# KiCad board GNSS_Firehose.kicad_pcb (continued)
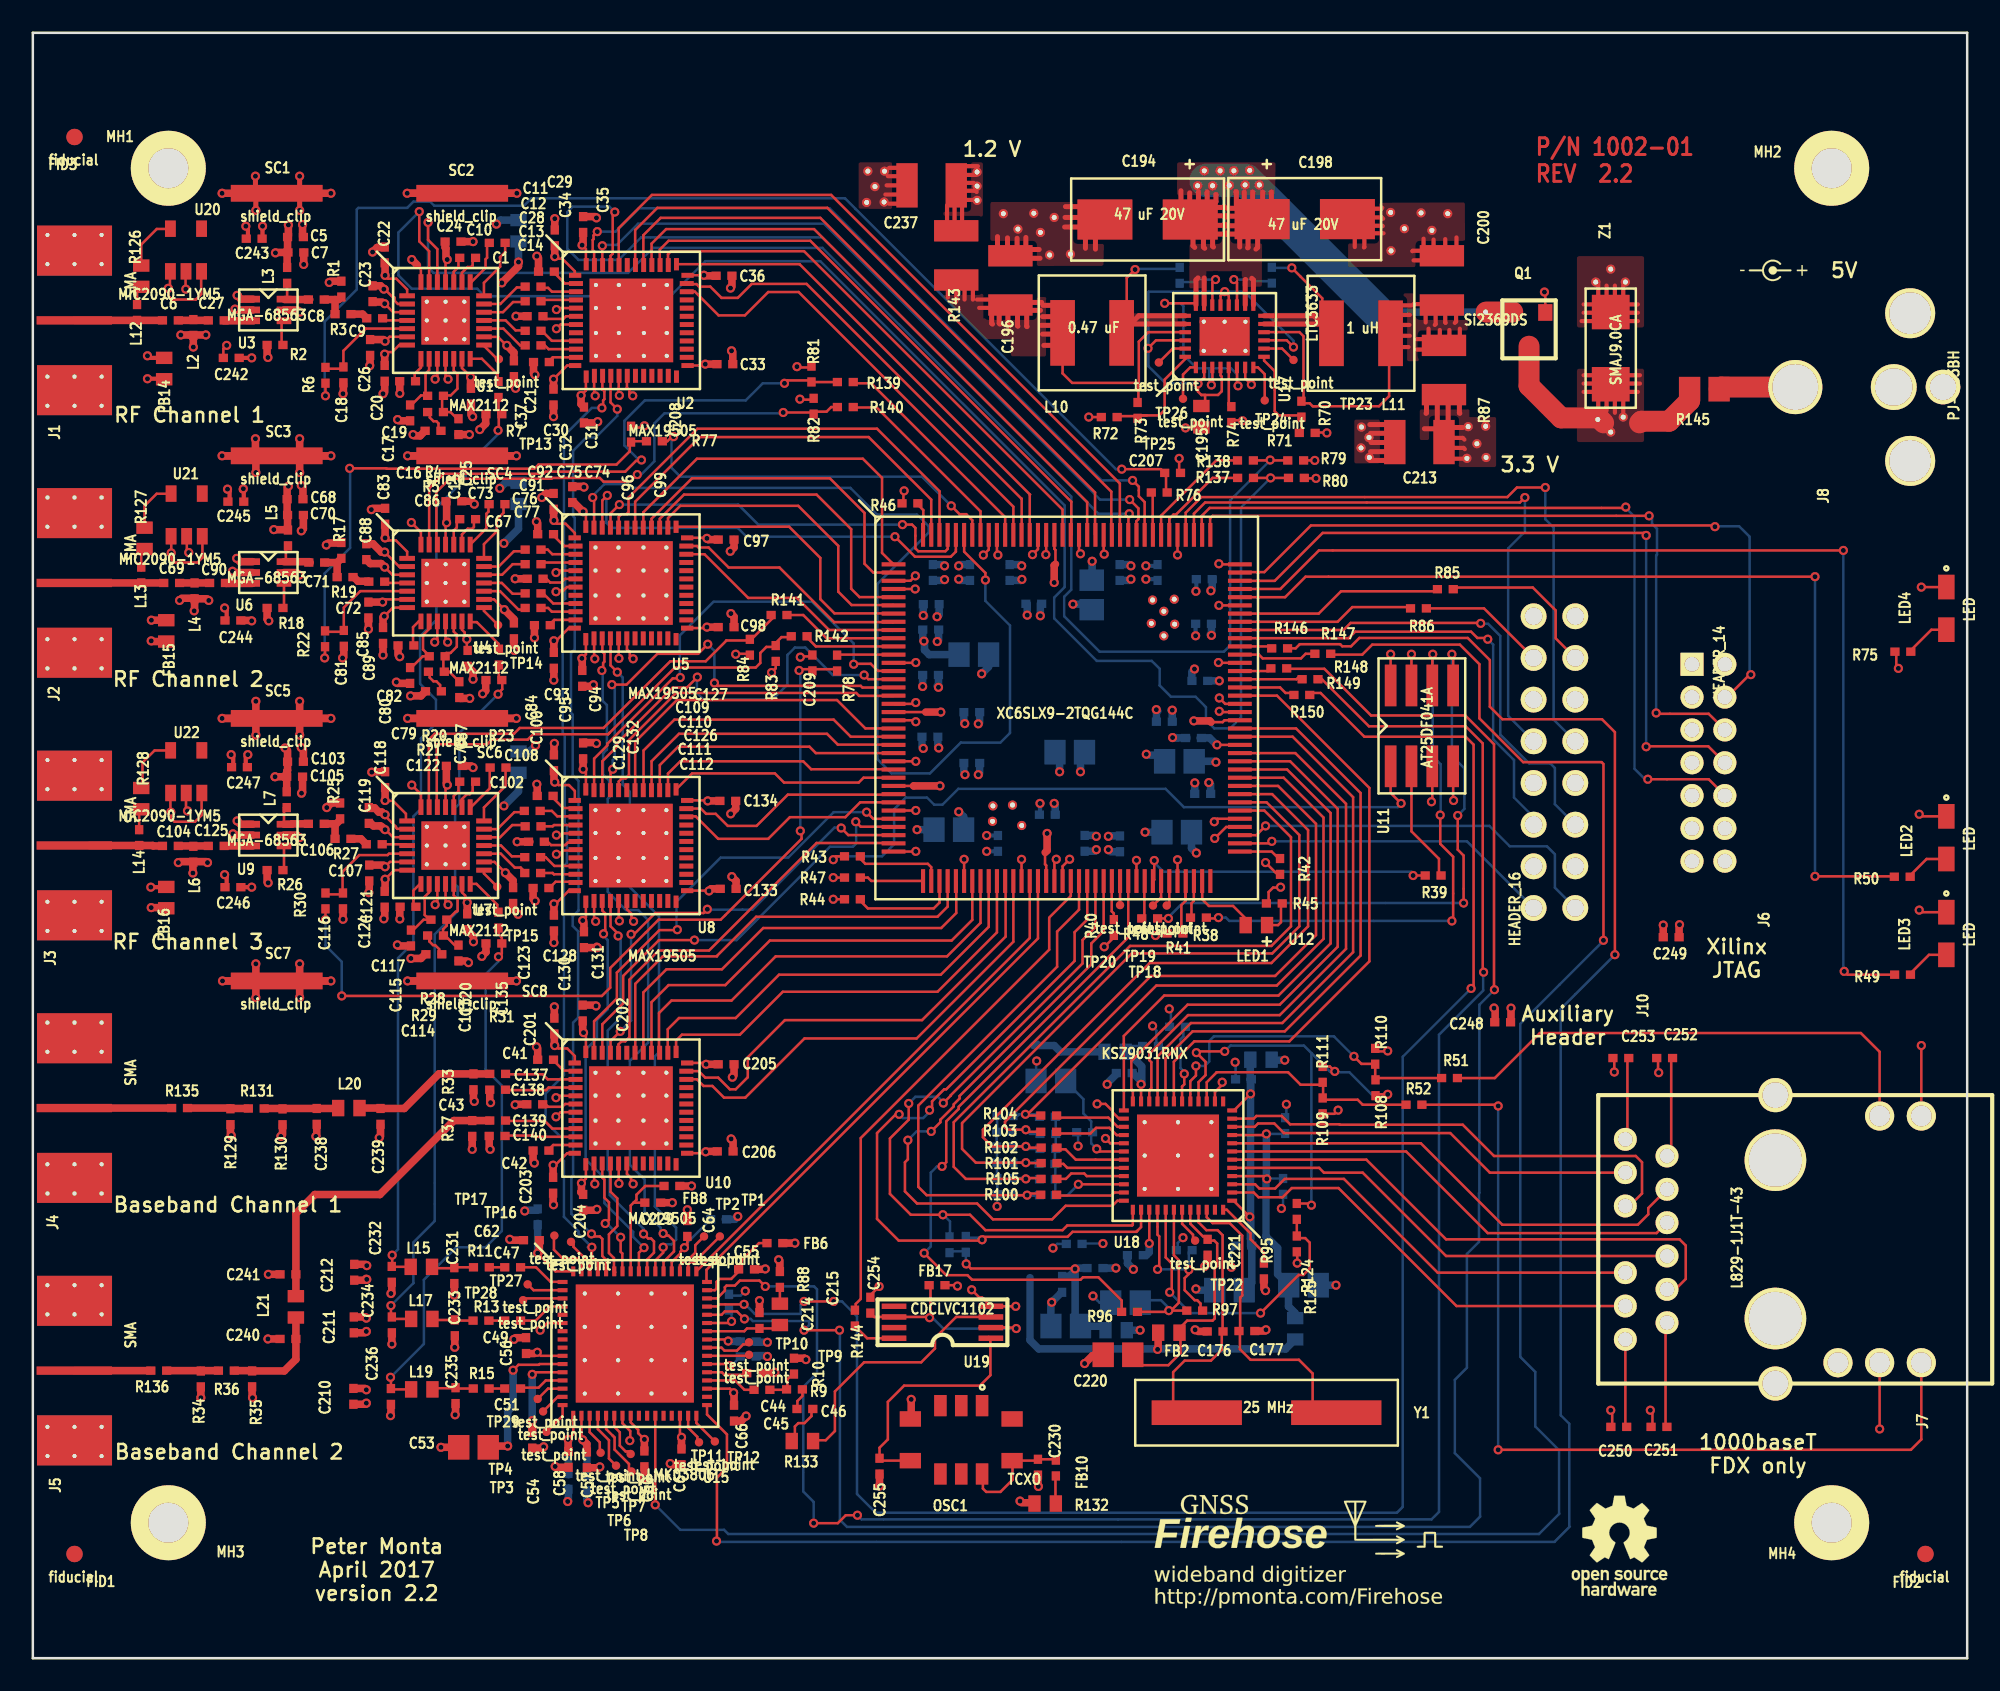
[diagram p0: board, top side]
## Routing (per net, layer and track width the routed paths; a pad name or vN(x,y) marks a point on that pad's centre or on a via; arc(x,y) is an arc through that point) (continued)
/Clock generation/ch1_d+: length 3.1
  Top w0.152: 29.58,23.83 30.66,23.83 31.55,22.94 32.27,22.94 U15.1
/Clock generation/ch2_d+: length 3.1
  Top w0.152: U15.4 32.27,21.44 31.5,21.44 30.63,20.57 29.58,20.57
/Clock generation/ch3_d+: length 2.9
  Top w0.152: U15.13 31.25,16.93 30.81,16.48 29.64,16.48 29.58,16.43
/Ethernet/ct1: length 5.3
  Top w0.152: 97.03,14.1 J7.12
/Ethernet/ct2: length 6.4
  Top w0.152: 99.48,14.1 99.48,20.36 J7.6
/Ethernet/ct3: length 6.1
  Top w0.152: 99.82,36.58 99.82,30.86 J7.1
/Ethernet/ct4: length 5
  Top w0.152: J7.7 97.16,31.75 97.16,36.58
/Ethernet/LED_MODE: length 19
  Top w0.152: v1(69.27,22.3) 69.29,22.28 69.39,22.28 69.39,24.05 69.02,24.42 U18.41 ; v1(74.8,21.03) 77.13,23.36 77.41,23.36 77.8,23.75 77.8,25.32 77.52,25.6 77.06,25.6 77.04,25.63 ; R124.2 R125.1
  Bottom w0.152: v1(69.27,22.3) 70.54,21.03 v1(74.8,21.03)
/Ethernet/phyad0: length 20.7
  Top w0.152: 85.92,35.36 82,35.36 81.81,35.17 81.79,35.18 81.79,36.18 ; 81.83,36.14 81.79,36.18 ; 81.79,36.18 81.75,36.22 80.95,36.22 v1(80.49,36.68) ; v1(70.87,36.09) 70.87,35.51 70.52,35.17 U18.17
  Bottom w0.152: v1(70.87,36.09) 71.4,36.09 71.68,36.37 71.68,37.62 71.96,37.9 79.27,37.9 v1(80.49,36.68)
/Ethernet/phyad1: length 15
  Top w0.152: 72.14,35.71 76.48,35.71 77.24,34.95 78.59,34.95 78.61,34.93 78.61,34.09 78.59,34.06 78.61,34.04 80.72,34.04 81.03,33.73 83.75,33.73 ; 72.14,35.71 72.11,35.69 ; 72.14,35.71 71.52,35.1 U18.15
/Ethernet/xtal1: length 17.2
  Top w0.152: 73.56,19.94 73.56,21.97 73.69,22.1 73.69,25.76 72.92,26.52 71.88,26.52 71.52,26.88 U18.46 ; 73.51,20.12 73.62,20.01 ; 73.59,19.98 73.55,19.94 73.55,18.83 74.19,18.19 77.14,18.19 77.98,17.35 77.98,15.45 77.99,15.44
/Ethernet/xtal2: length 15.1
  Top w0.152: 69.49,15.44 69.48,15.45 69.48,17.43 70.18,18.14 71.78,18.14 72.44,18.8 72.44,19.87 72.49,19.92 72.49,25.78 72.19,26.09 71.5,26.09 71.02,26.56 U18.45 ; 72.5,19.93 72.49,19.91
/FPGA/cclk: length 2.3
  Top w0.152: 70.59,45.09 70.59,46.01 70.74,46.15 70.74,47.36 U12.70
/FPGA/CH1_GC1: length 2.5
  Top w0.152: 68.23,71.04 68.23,68.59 68.22,68.58
/FPGA/CH2_GC1: length 23.4
  Top w0.152: 38.94,74.45 38.66,74.17 38.27,74.17 ; v1(55.96,70.23) 56.46,69.72 56.87,69.72 57.24,69.35 U12.138
  Top w0.305: 38.94,74.45 v1(39.04,74.45)
  Bottom w0.152: 38.94,74.45 38.91,74.42 38.91,72.54 39.45,72.01 54.18,72.01 55.98,70.21
/FPGA/CH3_GC1: length 3.5
  Top w0.152: U12.12 49.09,61.16 49,61.07
/FPGA/cso_b: length 5.6
  Top w0.152: 50.34,48.87 50.34,48.8 50.72,48.41 54.53,48.41 54.74,48.21 54.74,47.37 U12.38
/FPGA/din: length 18.5
  Top w0.152: U12.65 68.33,47.44 v1(68.33,48.62) ; v1(84.1,47.7) 84.92,47.7
  Bottom w0.152: v1(68.33,48.62) 68.33,48.49 68.88,47.93 84,47.93 84.23,47.7
/FPGA/init_b: length 6.6
  Top w0.152: U12.39 55.25,47.36 55.25,46.05 54.89,45.69 50.88,45.69 50.34,46.23 50.34,46.25
/FPGA/led0: length 66.8
  Top w0.152: v1(110.31,67.51) 78.36,67.51 76.01,65.16 U12.105 ; v1(110.36,41.86) 110.57,41.66 R49.1
  Bottom w0.152: v1(110.31,67.51) 110.31,41.66
/FPGA/led1: length 58.7
  Top w0.152: 113.5,47.63 113.47,47.65 v1(108.59,47.65) ; U12.104 76.3,64.66 77.55,65.91 v1(108.59,65.91)
  Bottom w0.152: v1(108.59,65.91) v1(108.59,47.65)
/FPGA/m0: length 3.7
  Top w0.152: 70.23,46.33 70.23,47.35 U12.69 ; 69.94,44.17 69.98,44.21 69.98,45.9 70.23,46.15 70.23,46.69
/FPGA/m1: length 2.5
  Top w0.152: U12.60 65.74,47.35 65.74,45.52 65.86,45.39 65.86,45.06 65.86,45.06 ; 65.86,45.09 65.86,44.91
/FPGA/mosi: length 2.3
  Top w0.152: 67.72,45.09 67.72,47.34 U12.64
/FPGA/spare1_n: length 19.6
  Top w0.152: v1(75.49,49.78) 75.36,49.66 U12.74
  Bottom w0.152: v1(75.49,49.78) 87.38,49.78 J10.2
/FPGA/spare1_p: length 23.9
  Top w0.152: v1(75.11,50.72) 74.54,50.16 U12.75
  Bottom w0.152: v1(75.11,50.72) 88.75,50.72 89.99,49.48 92.25,49.48 92.74,49 92.74,46.96 J10.1
/FPGA/spare2_n: length 27.7
  Top w0.152: 73.74,62.16 80.17,62.16 80.57,62.56 87.63,62.56 88.01,62.18 88.57,62.18 v1(88.65,62.1)
  Bottom w0.152: J10.6 91.44,51.26 90.25,52.45 90.25,54.74 88.98,56.01 88.98,61.77 v1(88.65,62.1)
/FPGA/spare2_p: length 30.5
  Top w0.152: U12.100 79.86,62.66 80.29,63.09 88.19,63.09 v1(88.21,63.07)
  Bottom w0.152: v1(88.21,63.07) 88.24,63.04 88.67,63.04 89.41,62.31 89.41,56.29 91.16,54.53 92.46,54.53 92.74,54.25 92.74,52.04 J10.5
/FPGA/spare3_n: length 37.8
  Top w0.152: U12.111 70.74,69.75 71.42,70.43 90.6,70.43 v1(90.91,70.74)
  Bottom w0.152: J10.10 89.89,57.43 89.89,67.64 90.91,68.66 v1(90.91,70.74)
/FPGA/spare3_p: length 40.1
  Top w0.152: v1(92.15,71.35) 90.42,71.35 89.84,70.76 71.2,70.76 70.24,69.81 U12.112
  Bottom w0.152: v1(92.15,71.35) 92.15,69.42 92.66,68.91 92.66,57.2 J10.9
/FPGA/TCK: length 44.6
  Top w0.152: 98.96,57.56 v1(98.91,57.61) ; 103.09,56.58 103.09,56.58 102.11,57.56 98.93,57.56 ; v1(98.48,69.62) 71.88,69.62 71.73,69.47 71.73,68.58
  Bottom w0.152: v1(98.91,57.61) 98.91,67.21 98.96,67.26 98.96,68.83 98.65,69.14 98.65,69.44 v1(98.48,69.62)
/FPGA/TDI: length 49.2
  Top w0.152: 97.05,70.1 71.7,70.1 71.22,69.62 71.22,68.78 ; 103.09,52.58 103.09,52.58 102.11,53.57 v1(98.4,53.57)
  Bottom w0.152: 97.05,70.1 97.59,69.57 97.59,54.2 98.22,53.57 v1(98.4,53.57)
  vias: v1(97.05,70.15)
/FPGA/TDO: length 44
  Top w0.152: 103.09,54.58 103.08,54.58 102.08,55.58 98.32,55.58 v1(98.3,55.55) ; 73.71,65.66 75.67,65.66 78.59,68.58 98.15,68.58 v1(98.3,68.43)
  Bottom w0.152: v1(98.3,55.55) v1(98.3,68.43)
/FPGA/TMS: length 43.5
  Top w0.152: 103.15,58.58 103.23,58.58 104.55,59.89 104.62,59.89 v1(104.67,59.94) ; v1(102.49,68.96) 102.41,69.04 77.88,69.04 75.03,66.19 73.53,66.19 ; 103.09,58.58 103.56,58.58
  Bottom w0.152: 102.49,68.99 103.96,68.99 104.6,68.35 104.6,60.02 v1(104.67,59.94)
/FPGA/UART_RX: length 10.9
  Top w0.152: 84.02,63.98 83.95,64.06 80.39,64.06 79.5,63.16 U12.101
/FPGA/UART_TX: length 12.8
  Top w0.152: U12.102 78.34,63.66 79.71,65.02 85.43,65.02 85.66,65.25
/RF channel 1/ch1_cpout: length 5.4
  Top w0.152: 25.98,75.41 25.44,75.95 24.99,75.95 24.94,76 24.94,76.96 25.22,76.96 ; 25.65,79.19 25.65,78.47 25.87,78.24 25.87,77.37 25.46,76.96 25.08,76.96
/RF channel 1/ch1_gc1_lpf: length 7
  Top w0.152: 20.28,81.03 18.92,79.68 18.92,78.59 ; 20.28,81.03 19.99,80.75 ; 20.28,81.03 22.81,81.03 ; 18.9,78.59 18.9,78.59 17.83,78.59
/RF channel 1/ch1_vcc: length 20.9
  Top w0.152: 22.81,80.53 21.73,80.53 v1(21.46,80.26) 21.36,80.37 ; 29.16,79.28 29.18,79.25 ; v1(21.44,79.48) 21.56,79.6 21.89,79.6 22.32,80.03 22.81,80.03 ; 26.15,79.19 26.15,78.63 26.43,78.35 26.43,78.32 v1(26.67,78.08) ; 27.49,80.53 28.34,80.53 28.85,80.01 v1(28.88,80.01) 29.16,79.73 ; v1(21.46,84.28) 21.46,84.25 21.64,84.07 22.15,84.07 22.81,83.42 22.81,83.03 ; 25.22,86.32 25.2,86.33 ; 25.15,83.87 25.15,85.14 v1(25.25,85.24) 25.17,85.32 25.17,85.34 ; 27.5,80.52 27.49,80.53 ; 21.44,83.44 21.95,82.93 22.02,82.93 22.05,82.91 22.05,82.73 22.24,82.53 22.81,82.53
  Top w0.457: v1(29.59,85.09) 29.59,84.84 v1(28.58,83.82) ; C21.1 29.31,79.58 v1(28.88,80.01) ; v1(26.67,78.08) 26.67,77.36 ; 20.7,83.62 20.73,83.64 21.18,83.64 v1(21.39,83.44) 21.46,83.44 ; 21.44,84.92 21.46,84.91 v1(21.46,84.28) ; C26.1 21.36,80.37 ; 21.44,78.82 v1(21.44,79.48) ; 25.17,85.34 25.17,85.93 25.12,85.98 C24.1
  Bottom w0.457: v1(29.59,85.09) 29.59,86.36
/RF channel 1/ch1_vcc_lna: length 12.5
  Top w0.152: 14.27,79.32 v1(14.33,79.27) ; 10.26,84.51 10.26,83.13 9.93,82.8 8.48,82.8 8.28,83.01 8.28,83.46 v1(8.26,83.49) 8.36,83.59 8.36,84.51 ; C243.1 13.97,87.25 v1(14,87.27)
  Top w0.254: FB14.2 7.11,79.25 v1(6.98,79.38) ; v1(14,87.27) 14,86.64 13.87,86.51 ; C242.1 v1(13.34,79.25)
  Top w0.457: 15.49,84.73 15.49,85.49 ; 15.57,85.67 14.81,85.67 v1(14.78,85.65) ; v1(15.57,87.35) 15.57,86.65 ; C5.1 15.52,85.75 ; R2.1 14.27,79.32
/RF channel 1/ch1_vtune: length 3.8
  Top w0.152: 24.15,79.19 24.15,78.5 23.93,78.28 23.93,77.06 R4.1 ; 22.99,76.3 23.65,76.96 24.14,76.96
/RF channel 1/ch1_xtal: length 2.6
  Top w0.152: 28.37,77.72 28.32,77.77 28.32,78.23 27.36,79.19 26.65,79.19
/RF Channel 2/ch2_cpout: length 4.9
  Top w0.152: 25.65,63.19 25.65,62.57 25.83,62.38 25.83,61.65 25.45,61.26 25.19,61.26 24.99,61.06 ; C78.1 25.37,60.12 R21.1 ; 25.01,61.09 25.01,60.15 24.99,60.12
/RF Channel 2/ch2_gc1_lpf: length 6.9
  Top w0.152: 17.81,62.53 17.83,62.55 18.95,62.55 18.95,64.03 19.95,65.03 22.81,65.03
/RF Channel 2/ch2_vcc: length 21.3
  Top w0.152: 22.81,67.03 22.81,67.44 22.12,68.12 21.64,68.12 21.46,68.3 v1(21.46,68.28) ; U4.2 22.32,66.53 v1(21.44,67.41) ; 22.81,66.53 22.37,66.53 ; v1(25.21,69.2) 25.15,69.14 U4.25 ; 27.49,64.53 28.1,64.53 v1(28.73,63.91) ; v1(21.41,63.5) 21.94,64.03 22.81,64.03 ; v1(21.31,64.36) 21.48,64.53 22.81,64.53 ; 26.15,63.19 26.15,62.68 26.31,62.51 26.31,62.23 v1(26.44,62.1) 26.44,61.47 C87.1
  Top w0.457: C89.1 21.34,63.42 v1(21.41,63.5) ; C83.1 v1(21.46,68.28) 21.44,68.25 ; v1(28.73,63.91) 29.31,63.32 C84.1 ; C86.1 25.21,70.47 v1(25.21,69.2) ; C85.1 v1(21.31,64.36) ; 21.39,67.41 v1(21.44,67.41) 21.23,67.41 20.73,67.92 C88.1
  Bottom w0.457: v1(28.7,67.95) 29.59,68.83 29.59,70.36
/RF Channel 2/ch2_vcc_lna: length 12.3
  Top w0.152: 8.43,68.37 8.43,67.39 ; C245.1 12.85,71.17 ; v1(8.43,67.36) 8.46,67.34 8.46,66.95 8.64,66.78 10.03,66.78 10.33,67.08 10.33,68.37 ; 14.36,63.24 v1(14.38,63.22) ; 15.49,71.35 v1(15.57,71.42) ; 12.85,71.25 v1(12.83,71.27)
  Top w0.254: C245.1 12.85,71.25
  Top w0.457: 15.44,68.78 14.69,68.78 v1(14.68,68.78) 14.71,68.78 ; R18.1 14.27,63.32 v1(14.38,63.22) ; L5.1 15.52,68.78 C70.1 15.49,69.7 C68.1 15.49,71.35 ; FB15.2 v1(7.22,63.26) 7.21,63.27 ; C244.1 13.31,63.25 v1(13.34,63.22) ; 12.77,71.22 v1(12.83,71.27)
/RF Channel 2/ch2_vtune: length 4
  Top w0.152: 22.99,60.29 23.76,61.06 24.19,61.06 ; 24.15,63.19 24.15,62.73 23.77,62.36 23.77,61.47 24.19,61.06 ; 24.19,61.06 24.15,61.1
/RF Channel 2/ch2_xtal: length 2.6
  Top w0.152: 26.65,63.19 26.69,63.14 27.05,63.14 28.37,61.82 28.37,61.52 C100.2
/RF Channel 3/ch3_cpout: length 4.8
  Top w0.152: R28.2 25.22,44.65 24.99,44.42 24.99,44.04 ; 25.7,43.45 25.11,44.04 24.96,44.04 ; 25.65,47.19 25.65,46.49 25.88,46.25 25.88,45.57 25.81,45.49 25.76,45.49 25.35,45.09 25.04,45.09
/RF Channel 3/ch3_gc1_lpf: length 6.8
  Top w0.152: 22.81,49.03 21.7,49.03 21.62,48.95 19.89,48.95 18.87,47.93 18.87,46.58 18.9,46.55 17.83,46.55
/RF Channel 3/ch3_vcc: length 20.7
  Top w0.152: 22.81,50.53 22.79,50.55 22.2,50.55 22.12,50.62 22.12,50.67 21.46,51.33 v1(21.46,51.41) ; 27.49,48.53 28.13,48.53 v1(28.79,47.87) ; 26.15,47.19 26.15,46.68 26.34,46.48 26.34,46.18 v1(26.47,46.05) ; 21.36,48.34 v1(21.46,48.23) 21.76,48.53 22.81,48.53 ; 22.81,48.03 22.02,48.03 v1(21.46,47.47) ; 21.46,52.25 21.95,52.25 22.73,51.46 22.73,51.1 22.81,51.03 ; 25.2,53.34 25.2,53.26 v1(25.25,53.21) 25.15,53.11 25.15,51.87
  Top w0.457: 21.26,51.56 21.41,51.41 v1(21.46,51.41) ; 21.26,51.56 21.08,51.56 20.82,51.83 20.49,51.83 C119.1 ; 21.26,51.56 21.46,51.36 ; 25.29,53.25 25.2,53.34 C122.1 ; C118.1 v1(21.46,52.27) 21.44,52.25 ; C121.1 21.36,48.34 ; C124.1 21.46,46.76 v1(21.46,47.47) ; C123.1 29.26,47.4 v1(28.79,47.87) ; 25.28,53.25 v1(25.25,53.21) ; v1(26.47,46.05) C120.1
  Bottom w0.457: v1(28.7,51.94) 29.59,52.83 29.59,53.98
/RF Channel 3/ch3_vcc_lna: length 11.8
  Top w0.152: 14.27,47.32 v1(14.34,47.26) ; 15.52,55.32 v1(15.37,55.47) ; 8.38,52.72 8.38,51.59 v1(8.41,51.56) 8.41,51.21 8.64,50.98 9.88,50.98 10.28,51.38 10.28,52.72
  Top w0.254: 12.97,54.31 12.97,54.94 v1(13.1,55.07) ; 12.57,46.99 v1(13.34,46.99) ; 8.13,46.99 v1(7.19,46.99)
  Top w0.457: L7.1 C105.1 v1(14.76,53.72) ; R26.1 14.27,47.32 ; v1(14.76,53.72) 14.73,53.7 ; v1(14.76,53.72) 14.72,53.68 ; 15.52,54.66 15.52,55.32 ; C103.1 15.52,54.1 15.47,54.05 15.47,53.75
/RF Channel 3/ch3_vtune: length 3.8
  Top w0.152: 23.09,44.29 23.81,45.01 24.16,45.01 23.88,45.29 23.88,46.41 24.15,46.68 24.15,47.19
/RF Channel 3/ch3_xtal: length 2.8
  Top w0.152: 28.37,45.31 28.3,45.38 28.3,45.92 27.03,47.19 26.65,47.19
/RF Channel 4/10_MHz+: length 4.5
  Top w0.152: 28.72,35.61 28.75,35.59 31.06,35.59 31.37,35.28 33.07,35.28
/RF Channel 4/10_MHz-: length 4.4
  Top w0.152: 28.72,34.65 28.75,34.62 31.27,34.62 31.43,34.78 33.07,34.78
/RF Channel 4/PPS+: length 4.6
  Top w0.152: 33.07,32.28 31.65,32.28 31.19,32.74 28.75,32.74 28.72,32.77
/RF Channel 4/PPS-: length 4.4
  Top w0.152: 33.07,31.78 30.55,31.78 30.48,31.85 28.71,31.85 28.69,31.83
CH1_CLK: length 44
  Top w0.152: 35.7,84.91 35.7,87.16 37.72,89.18 48.64,89.18 66.23,71.59 66.23,68.47 U12.120
CH1_CLK+: length 58.4
  Top w0.152: 34.43,23.58 34.43,24.09 34.06,24.46 v1(34.06,25.04) ; 34.7,78.16 34.7,77.34 34.82,77.22 34.82,76.73 34.75,76.66 34.75,76.28 v1(34.67,76.2)
  Bottom w0.152: v1(34.06,25.04) 33.25,25.86 33.25,26.01 32.36,26.9 32.36,30.3 32.28,30.38 32.28,31.65 31.24,32.69 31.24,34.42 32.36,35.53 32.36,48.29 32.54,48.46 32.54,50.75 32.41,50.88 32.41,56.26 32.28,56.39 32.28,64.41 32.44,64.57 32.44,66.57 32.36,66.65 32.36,74.5 34.06,76.2 v1(34.67,76.2) ; v1(34.06,25.04) 33.81,25.04 ; v1(34.06,25.04) 34.04,25.02
CH1_CLK-: length 58.1
  Top w0.152: v1(35.61,76.12) 35.2,76.54 35.2,78.16 ; 34.93,23.58 34.93,24.28 34.7,24.51 34.7,25.55 34.54,25.7 34.19,25.7 v1(34.04,25.86)
  Bottom w0.152: v1(35.61,76.12) 35.61,75.72 34.29,74.4 33.73,74.4 32.92,73.58 32.92,69.6 33.02,69.49 33.02,61.49 32.79,61.26 32.79,57.61 32.89,57.51 32.89,53.82 33.25,53.47 33.25,45.57 32.89,45.21 32.89,44.63 33.22,44.3 33.22,39.04 32.92,38.74 32.92,29.39 32.82,29.29 32.82,27.08 v1(34.04,25.86)
CH1_CS: length 45.7
  Top w0.152: v1(34.39,86.94) 34.16,86.72 34.16,86.49 34.11,86.44 34.11,85.83 34.2,85.74 34.2,84.91 ; 67.74,68.61 67.74,70.46 67.39,70.82 67.39,71.4 v1(67.01,71.78)
  Bottom w0.152: v1(34.39,86.94) 35.51,86.94 36.93,88.37 48.54,88.37 65.13,71.78 v1(67.01,71.78)
CH1_D0: length 28.2
  Top w0.152: U12.133 59.74,68.46 59.74,70.18 46.66,83.26 44.81,83.26 43.38,81.84 41.78,81.84 40.34,83.28 39.82,83.28
CH1_D1: length 28.8
  Top w0.152: U12.132 60.25,68.47 60.25,70.66 60.24,70.66 47.14,83.76 43.8,83.76 42.95,82.91 41.96,82.91 41.28,83.59 40.59,83.59 40.44,83.74 39.86,83.74 39.82,83.78
CH1_D2: length 29.9
  Top w0.152: 46.71,84.96 46.71,84.96 ; 46.71,84.96 39.2,84.96 ; 46.71,84.96 60.76,70.92 60.74,70.9 U12.131 60.76,68.48
CH1_D3: length 32.8
  Top w0.152: 38.7,84.91 38.7,85.56 38.89,85.75 46.99,85.75 62.74,70 62.74,68.47 U12.127
CH1_D4: length 34.9
  Top w0.152: 38.2,84.91 38.2,85.85 38.73,86.39 47.37,86.39 63.27,70.49 63.27,68.49 U12.126
CH1_D5: length 37.1
  Top w0.152: 37.7,84.91 37.7,86.21 38.58,87.1 47.6,87.1 64.24,70.46 64.24,68.47 U12.124
CH1_D6: length 39.3
  Top w0.152: U12.123 64.72,68.49 64.72,71.04 47.98,87.78 38.25,87.78 37.2,86.73 37.2,84.91
CH1_D7: length 41.5
  Top w0.152: U12.121 65.71,68.49 65.71,71.09 48.41,88.39 38.05,88.39 36.7,87.04 36.7,84.91
CH1_GC1_FPGA_LPF: length 70.9
  Top w0.152: 69.04,72.24 69.04,71.06 69.03,71.04 ; 69.04,72.23 68.97,72.23 68.73,72.47 v1(66.34,72.47) ; R6.2 v1(17.83,76.94)
  Bottom w0.152: v1(17.83,76.94) 17.78,76.99 17.78,81.46 19.74,83.41 19.74,88.29 19.84,88.39 22.81,88.39 23.19,88.77 24.21,88.77 24.46,88.52 29.92,88.52 30.38,88.98 49.48,88.98 50.13,88.33 ; 50.11,88.34 65.99,72.47 v1(66.34,72.47)
CH1_REF+: length 57.8
  Top w0.152: L15.2 21.93,23.85 21.89,23.88 v1(21.89,24.56) ; v1(28.35,74.83) 28.39,74.87 28.39,75.82 28.37,75.84 28.37,76.92
  Bottom w0.152: v1(28.35,74.83) 28.35,74.6 26.37,72.62 26.37,71.91 24.59,70.13 24.59,63.27 23.6,62.28 23.6,59.39 24.56,58.42 24.56,56.97 23.65,56.06 23.65,51.77 23.19,51.31 23.19,43.61 22.25,42.67 22.25,24.92 v1(21.89,24.56) 21.87,24.54 21.87,24.49
CH1_SCL: length 97.2
  Top w0.152: R137.1 v1(75.41,71.93) R80.2 ; 24.15,83.87 24.15,85.75 23.55,86.35 v1(23.55,88.16)
  Bottom w0.152: v1(23.55,88.16) 22.28,86.89 22.28,84.28 23.09,83.46 27.08,83.46 27.53,83.01 38.84,83.01 40.97,85.14 47.98,85.14 62.87,70.26 62.87,65.28 62.23,64.64 62.23,63.37 64.82,60.78 68.17,60.78 68.66,60.3 68.66,59.28 69.34,58.6 70.84,58.6 71.48,57.96 71.48,57.18 71.98,56.67 72.95,56.67 73.61,57.33 73.61,70.13 v1(75.41,71.93)
CH1_SCLK: length 43.2
  Top w0.152: v1(66.83,70.61) 67.36,70.08 67.36,69.42 67.23,69.29 67.23,68.5 ; 34.7,84.91 v1(34.7,86.08) 34.72,86.11
  Bottom w0.152: v1(66.83,70.61) 65.02,70.61 48.21,87.43 36.88,87.43 35.59,86.13 34.75,86.13 34.72,86.11
CH1_SDA: length 86.1
  Top w0.152: v1(24.08,87.5) 24.08,86.44 24.09,86.44 24.65,85.88 ; 76.54,73 75.41,73 v1(75.39,73.03) 75.36,73 74.28,73 ; 24.65,83.87 24.65,85.87
  Bottom w0.152: v1(24.08,87.5) 24.08,84.76 24.41,84.43 36.27,84.43 37.8,85.95 48.11,85.95 63.27,70.79 63.27,65.13 62.84,64.69 62.84,63.5 65,61.34 72.57,61.34 72.95,61.72 72.95,70.56 75.39,73 v1(75.39,73.03)
CH1_SDIN: length 52.1
  Top w0.152: v1(66.8,69.75) 66.75,69.7 66.75,68.5 ; v1(35.46,88.14) 35.33,88.01 35.33,85.6 35.2,85.47 35.2,84.91
  Bottom w0.152: v1(66.8,69.75) 64.92,69.75 48.08,86.59 37.06,86.59 35.69,85.22 33.25,85.22 32.56,85.9 32.56,88.14 32.89,88.47 35.13,88.47 v1(35.46,88.14)
CH2_CLK: length 27.2
  Top w0.152: 35.7,68.91 35.7,69.56 35.86,69.72 36.17,69.72 36.3,69.85 36.3,70.74 40.49,74.93 51.44,74.93 55.25,71.12 55.25,68.47 U12.142
CH2_CLK+: length 42.7
  Top w0.152: 38.43,23.58 38.43,24.15 39.07,24.79 39.07,25.43 38.73,25.76 38.53,25.76 v1(38.4,25.88) ; 34.7,62.16 34.7,61.34 34.82,61.21 34.82,60.73 34.75,60.66 34.75,60.27 v1(34.67,60.2)
  Bottom w0.152: 34.67,60.02 v1(34.67,60.2) 34.72,60.15 34.72,58.34 34.98,58.09 34.98,55.37 34.75,55.14 34.75,53.85 35.12,53.48 35.12,52.46 35.03,52.37 35.03,46.71 36.14,45.59 36.88,45.59 37.49,44.98 37.49,37.52 36.37,36.4 36.37,30.07 37.27,29.17 37.27,27.22 38.25,26.24 38.25,26.04 v1(38.4,25.88)
CH2_CLK-: length 41.2
  Top w0.152: 35.2,62.16 35.2,60.51 v1(35.61,60.1) ; v1(38.4,25.04) 38.4,24.71 37.93,24.24 37.93,23.58
  Bottom w0.152: v1(38.4,25.04) 38.58,25.22 38.91,25.22 39.19,25.5 39.19,26.24 37.9,27.53 37.9,36.68 38.15,36.93 38.15,45.21 36.37,46.99 36.37,52.81 35.94,53.24 35.94,59.77 v1(35.61,60.1) 35.61,60.12
CH2_CS: length 62
  Top w0.152: v1(58.04,65.71) 58.04,66.14 56.74,67.44 56.74,68.45 ; v1(34.11,70.74) 34.2,70.65 34.2,68.91
  Bottom w0.152: v1(34.11,70.74) 34.11,70.84 34.82,71.55 36.27,71.55 36.5,71.32 49.81,71.32 51.44,69.7 53.87,69.7 54.58,68.99 54.58,68.61 51.46,65.48 51.46,54.79 52.32,53.92 54.66,53.92 56.54,55.8 58.95,55.8 59.54,56.39 59.54,62.94 58.04,64.44 v1(58.04,65.71)
CH2_D0: length 14.6
  Top w0.152: 52.39,62.61 U12.9 48.51,62.66 46.56,64.62 43.59,64.62 40.92,67.28 39.82,67.28
CH2_D1: length 14.6
  Top w0.152: 39.82,67.78 40.47,67.78 40.56,67.69 41.17,67.69 42.39,66.47 45.49,66.47 48.82,63.14 52.42,63.14 U12.8 ; 52.44,63.17 U12.8 ; U12.8 52.4,63.12
CH2_D2: length 16.9
  Top w0.152: 39.2,68.96 46.08,68.96 47.98,67.06 47.98,64.54 48.84,63.68 52.43,63.68 U12.7
CH2_D3: length 18.8
  Top w0.152: U12.6 52.42,64.19 49.89,64.19 49.07,65 49.07,67.79 46.63,70.23 39.45,70.23 38.7,69.48 38.7,68.91
CH2_D4: length 20.1
  Top w0.152: 52.44,64.67 50.37,64.67 49.86,65.18 49.86,68.81 47.75,70.92 39.67,70.92 38.2,69.44 38.2,68.91
CH2_D5: length 20.5
  Top w0.152: U12.2 52.44,66.17 51.21,66.17 50.67,66.7 50.67,69.8 48.56,71.91 40.16,71.91 37.7,69.45 37.7,68.91
CH2_D6: length 23
  Top w0.152: 37.2,68.91 37.2,69.84 40.46,73.1 50.57,73.1 51.74,71.93 51.74,67.36 52.44,66.66 U12.1 ; 52.43,66.68 U12.1 ; U12.1 52.35,66.76
CH2_D7: length 25
  Top w0.152: 36.7,68.91 36.7,70.48 40.64,74.42 50.93,74.42 54.74,70.61 54.74,68.46 U12.143
CH2_GC1_FPGA_LPF: length 32.1
  Top w0.152: 36.45,74.17 36.37,74.09 36.37,73.56 35.56,72.75 30.81,72.75 30.56,72.49 21.56,72.49 21.54,72.52 v1(19.3,72.52) ; v1(17.78,60.96) 17.81,60.99 17.81,61.73 ; R77.2 36.5,74.17 C208.1
  Bottom w0.152: v1(19.3,72.52) 19.33,72.49 19.33,67.67 17.78,66.12 v1(17.78,60.96)
CH2_REF+: length 44
  Top w0.152: L17.2 21.91,20.68 21.88,20.71 ; v1(21.82,21.49) 21.82,20.68 ; R23.1 28.6,59.59 28.6,59.06 28.35,58.8 v1(28.35,58.75) ; 28.4,60.48 28.39,60.48 28.39,59.61
  Bottom w0.152: v1(21.82,21.49) 23.19,22.86 23.19,25.35 24.49,26.64 24.49,28.98 ; v1(28.35,58.75) 25.98,56.39 25.98,52.07 25.73,51.82 25.73,47.17 25.88,47.02 25.88,45.52 24.49,44.12 24.49,28.96
CH2_SCL: length 34.3
  Top w0.152: 49.1,77.77 47.53,77.77 47.43,77.88 45.97,77.88 v1(45.8,77.7) ; U4.27 24.15,71.29 24.15,71.29 25.04,72.19 31.12,72.19 31.24,72.31 36.09,72.31 36.75,72.97 37.13,72.97 37.16,73
  Bottom w0.152: v1(45.8,77.7) 44.48,77.7 43.43,76.66 37.29,76.66 36.04,75.41 36.04,73.91 36.93,73.03 v1(37.08,73.03) 37.11,73 37.16,73
CH2_SCLK: length 27.1
  Top w0.152: U12.140 56.24,67.44 55.93,67.13 53.75,67.13 v1(52.53,68.35) ; 34.7,68.91 34.7,70.56 v1(35,70.87)
  Bottom w0.152: v1(35,70.87) 34.95,70.82 34.95,69.19 35.26,68.88 42.95,68.88 43.48,68.35 v1(52.53,68.35)
CH2_SDA: length 31.4
  Top w0.152: v1(36.83,72.14) 36.4,71.7 34.77,71.7 34.54,71.93 31.65,71.93 31.6,71.88 25.4,71.88 24.59,71.07 24.59,67.93 U4.26 ; 49.1,76.25 48.64,76.25 48.36,75.97 47.64,75.97 47.59,75.92 v1(45.72,75.92)
  Bottom w0.152: v1(45.72,75.92) 45.67,75.87 38.48,75.87 37.87,75.26 37.87,72.95 37.06,72.14 v1(36.83,72.14)
CH2_SDIN: length 24.5
  Top w0.152: 35.2,68.91 35.2,69.77 v1(35.74,70.31) ; v1(52.98,69.09) 53.57,69.09 53.77,68.88 53.77,67.64 53.95,67.46 55.6,67.46 55.74,67.6 U12.141
  Bottom w0.152: v1(52.98,69.09) 44.2,69.09 42.98,70.31 v1(35.74,70.31) 35.71,70.28
CH3_CLK: length 21
  Top w0.152: 36.32,55.78 36.32,55.96 ; 36.32,55.96 39.19,58.83 50.17,58.83 50.34,58.65 52.43,58.65 ; 36.32,55.96 36.32,53.82 36.12,53.62 35.89,53.62 35.7,53.43 35.7,52.9 35.69,52.92
CH3_CLK+: length 25.4
  Top w0.152: v1(37.24,25.02) 36.93,24.71 36.93,23.58 ; 34.67,44.2 34.72,44.2 v1(34.77,44.15) ; 34.67,44.2 34.87,44.4 34.87,45.39 34.7,45.57 34.7,46.16 ; 34.67,44.2 34.82,44.35
  Bottom w0.152: 34.67,44.2 34.67,44.12 35.03,43.76 35.03,39.55 34.37,38.89 34.37,37.77 33.68,37.08 33.68,30.4 34.82,29.26 34.82,27.74 36.58,25.98 36.58,25.68 v1(37.24,25.02) 37.24,24.99
CH3_CLK-: length 24.7
  Top w0.152: 35.2,46.16 35.2,44.61 35.66,44.15 v1(35.66,44.02) ; 37.43,23.58 37.43,24.3 37.85,24.71 37.85,25.4 37.67,25.58 37.49,25.58 v1(37.21,25.86)
  Bottom w0.152: v1(37.21,25.86) 37.21,26.16 35.15,28.22 35.15,29.64 35.03,29.77 35.03,38.25 35.81,39.04 35.81,43.87 v1(35.66,44.02) 35.61,44.07 35.61,44.12
CH3_CS: length 28.2
  Top w0.152: 52.37,60.17 51.49,60.17 51.05,60.6 50.04,60.6 v1(50.01,60.58) ; v1(39.45,59.77) 39.4,59.72 38.99,59.72 35,55.73 35,55.63 34.2,54.82 34.2,52.9
  Bottom w0.152: v1(50.01,60.58) 50.01,61.85 47.47,64.39 41.48,64.39 39.42,62.33 39.42,59.79 v1(39.45,59.77)
CH3_D0: length 14.1
  Top w0.152: 39.82,51.28 39.85,51.31 40.39,51.31 41.76,49.94 44.81,49.94 46.13,51.26 49.5,51.26 50.41,52.16 U12.30
CH3_D1: length 13.9
  Top w0.152: U12.29 52.41,52.63 46,52.63 44.09,50.72 42.34,50.72 41.61,51.46 41.02,51.46 40.7,51.78 39.82,51.78
CH3_D2: length 14
  Top w0.152: U12.27 50.61,53.66 50.32,53.37 45.77,53.37 45.21,53.92 40.17,53.92 39.2,52.96
CH3_D3: length 15.3
  Top w0.152: 38.7,52.9 38.7,53.91 39.45,54.66 46.94,54.66 47.42,54.18 52.42,54.18 U12.26
CH3_D4: length 16.4
  Top w0.152: 38.2,52.9 38.2,52.91 38.2,54.43 39.32,55.55 47.32,55.55 47.71,55.16 U12.24
CH3_D5: length 17.5
  Top w0.152: U12.23 52.43,55.68 49.05,55.68 48.39,56.34 39.37,56.34 37.7,54.67 37.7,52.9
CH3_D6: length 18.9
  Top w0.152: 37.2,52.9 37.21,52.92 37.21,55.32 39.09,57.2 48.79,57.2 49.83,56.16 U12.22
CH3_D7: length 20.5
  Top w0.152: 36.7,52.9 36.7,55.85 39.24,58.39 49,58.39 50.72,56.67 52.44,56.67 U12.21
CH3_GC1_FPGA_LPF: length 51.2
  Top w0.152: 47.5,60.27 46.76,60.27 v1(46.69,60.2) ; 17.81,45.11 17.83,45.14 17.83,45.75 ; 49,60.27 47.52,60.27 ; v1(46.76,50.42) 46.84,50.34 46.84,49.94 41.91,45.01 38.13,45.01 35.18,42.06 35.18,40.87 34.67,40.36 v1(18.82,40.36)
  Bottom w0.152: v1(46.69,60.2) 46.76,60.12 v1(46.76,50.42) ; v1(18.82,40.36) 18.82,42.44 17.83,43.43 v1(17.83,45.01) 17.83,45.09 17.81,45.11
CH3_REF+: length 34.2
  Top w0.152: 28.37,42.75 v1(28.37,42.75) 28.58,42.95 R31.1 28.58,43.92 28.4,44.09 28.4,44.48 C135.1 ; L19.2 21.85,16.38 21.82,16.35 21.82,17.09 v1(21.79,17.12)
  Bottom w0.152: v1(21.79,17.12) 23.83,19.15 23.83,23.06 25.81,25.04 27.58,25.04 28.58,26.04 28.58,34.9 27.58,35.89 27.58,41.68 28.37,42.47 v1(28.37,42.75)
CH3_SCL: length 28.7
  Top w0.152: 42.24,62.03 43.7,62.03 43.78,62.11 ; 24.13,55.98 24.13,51.89 24.15,51.87 ; 24.13,55.98 24.13,55.96 ; 24.13,55.98 24.49,56.34 29.31,56.34 29.67,56.69 34.77,56.69 38.84,60.76 41,60.76 42.27,62.03 ; 43.71,62.03 45.07,63.38 45.07,63.58 ; 43.84,62.16 43.69,62.01
